# Altium PCB mutiADC_STM.PcbDoc (continued)
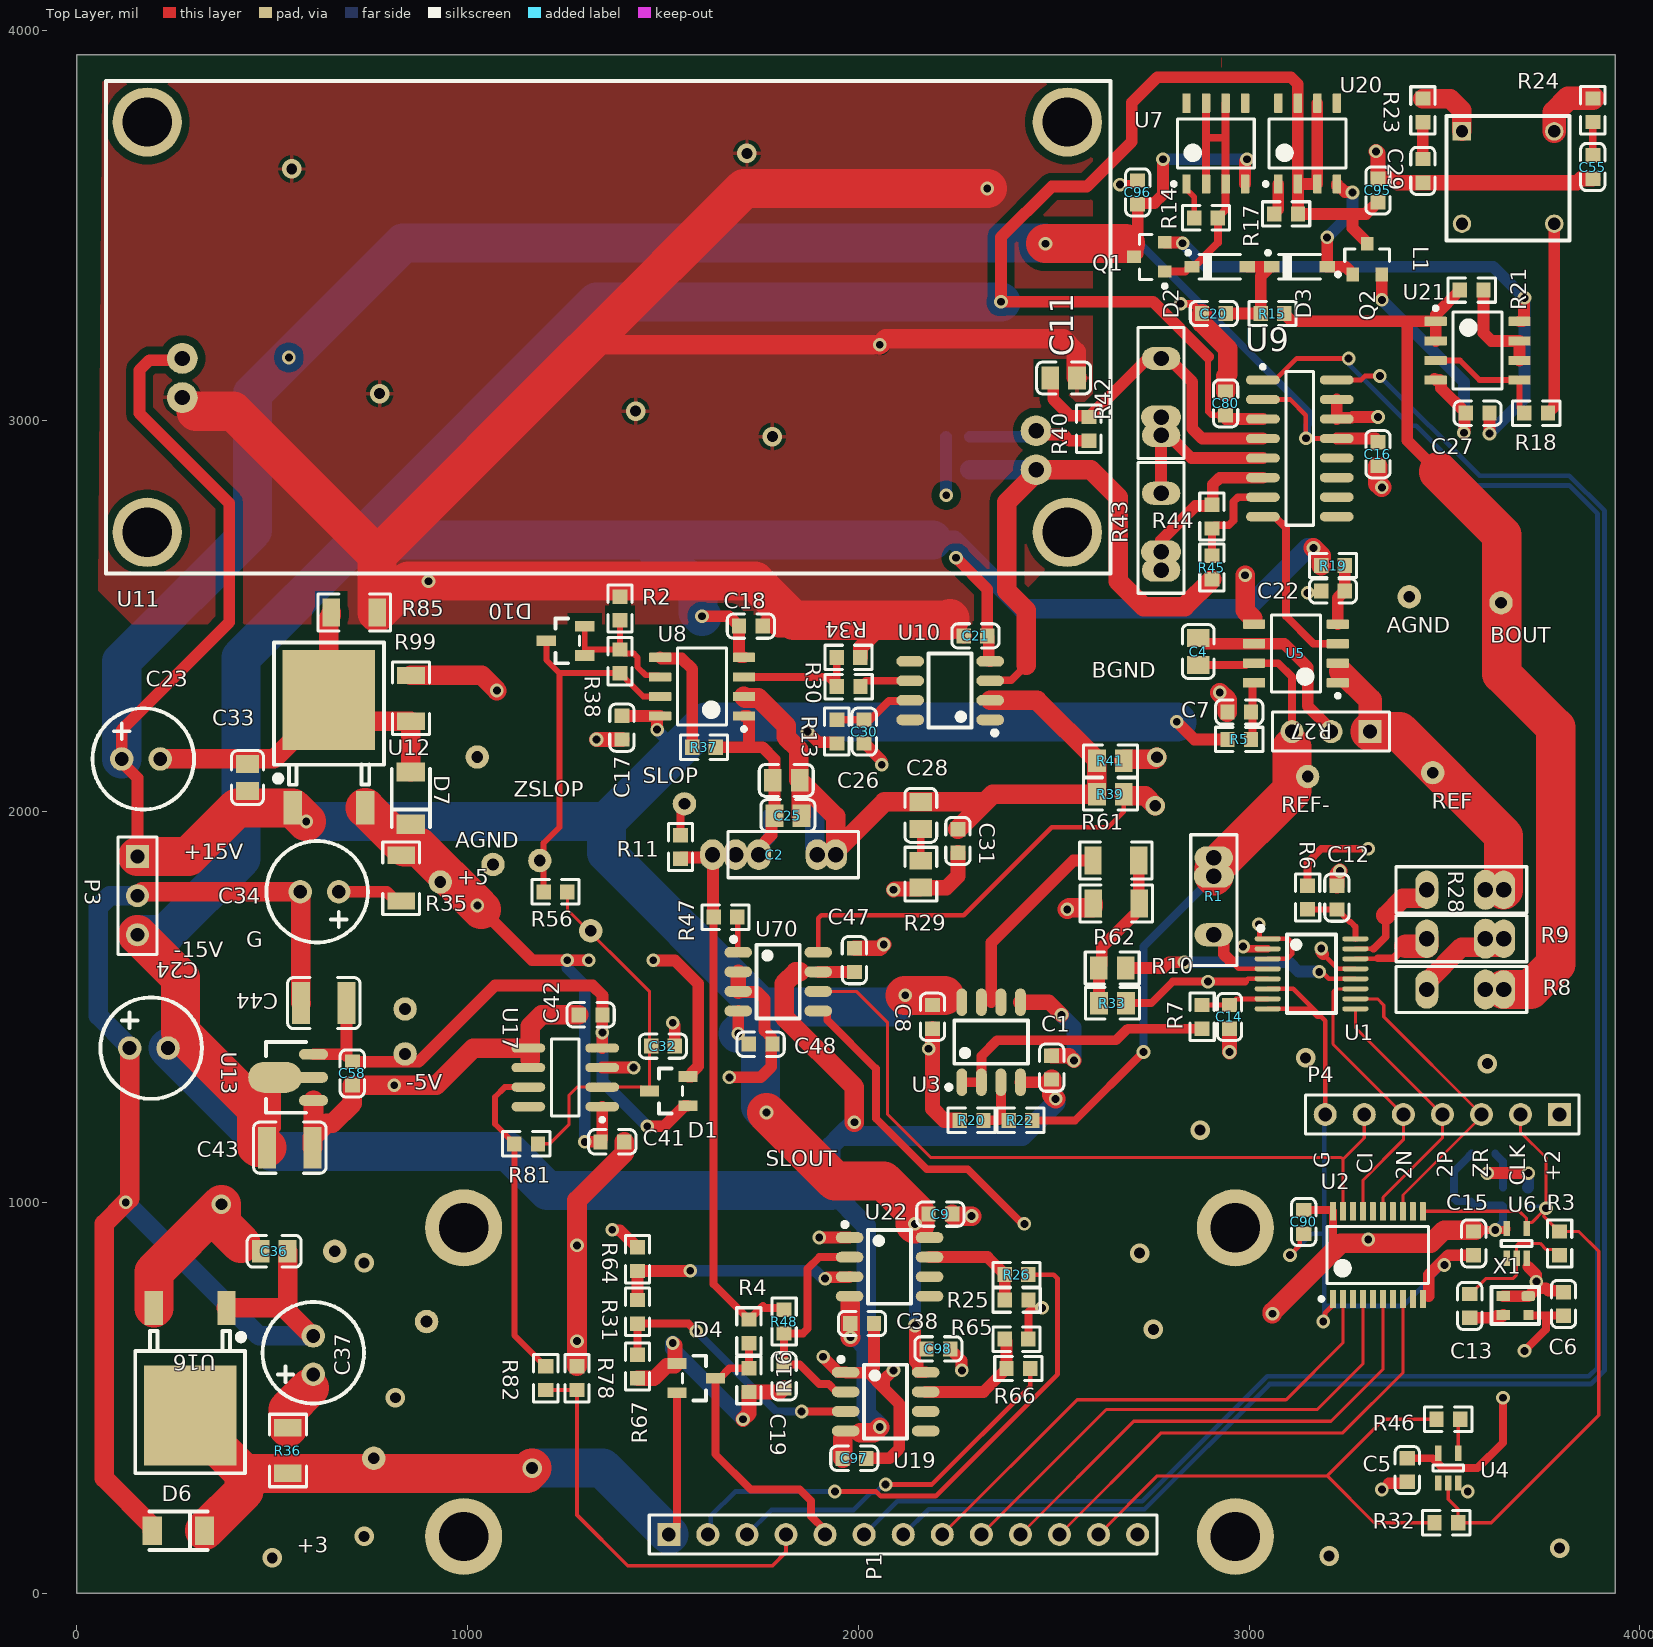
[diagram p0: Top Layer view]
## Nets (pads, with @x,y where several pads share a name; then routed paths per layer and width w, separated by ;. In a path a pad name is that pad's centre, name@x,y a point inside that pad or via, vN(x,y) a via of type N, cw(c..) or ccw(c..) an arc to the next point about the centre after c; other vN are vias at no path point) (continued)
  Bottom Layer w100: C23.1 114.88,2384.88 450,2720 450,3070 v1(542.5,3162.5) 835,3455 v1@2477.88,3455 ; v1(587.04,1975) 1355,1975 ; v1(1692.64,1432.05) 1710.59,1450 1750,1450 ; v1(1765,1230) 1750,1245 1750,1450 ; v1(2120,1530) 2090,1500 1750,1500 ; v1(2815,2230) 1610,2230 1527.5,2147.5 1355,1975 ; 1355,1975 1355,1895 1750,1500 ; 1750,1450 1750,1500
-2V: R7.1 U3.1 U3.2 | length 711.2
  Top Layer w25: U3.1 U3.2 2315,1375 2355,1415 2660,1415 2689.69,1444.69 R7.1
-2VA: C14.1 R7.2 U1.7 | length 174.6
  Top Layer w13: R7.2 2880.16,1505.16 2949.84,1505.16 C14.1 2950.98,1505 2967.01,1521.02 U1.7
-5V: C42.1 C44.1 C58.1 D1.1 pad.21 U13.3 U17.4 | length 1502.1
  Top Layer w30: U13.3 685.28,1379.06 690,1374.33 C44.1 ; C58.1 875.32,1360.32 1070,1555 1320,1555 1345.32,1529.68 C42.1 1344.9,1479.59 1344.9,1395.41 U17.4 ; v1(1460,1195) 1503.23,1195 1555.83,1247.6 D1.1
  Bottom Layer w30: v1(1345,1435) 1345,1310 v1(1460,1195)
-15V: C1.1 C18.1 C21.1 C24.2 C38.1 C43.1 C47.1 C80.2 C95.1 C97.1 P3.3 Q2.3 R17.2 R19.2 U3.4 U8.4 U9.3 U10.4 U13.2 U19.4 U20.2 U20.3 U20.6 U20.7 U22.4 U70.7 | length 14584.3
  Top Layer w15: 2895,3164.44 2895,3023.47 2903.79,3014.68 C80.2@2930,3014.68
  Top Layer w30: C43.1@507.17,1190.95 U13.2@507.17,1320 ; v1(1600,2500) 1669.68,2500 1690.39,2479.29 1691.38,2479.29 1694.68,2475.98 C18.1 1694.68,2398.19 1697.87,2395 U8.4 ; U70.7 1897.52,1589.84 1989.84,1589.84 C47.1 ; v1(2250,2650) 2330.32,2569.68 C21.1 2333.62,2446.69 2333.62,2386.22 2334.84,2385 U10.4 ; U3.4 2486.97,1307.64 2494.02,1314.68 C1.1 ; 2895,3164.44 2754.44,3305 v1(2365,3305) 2365,3470 2495,3600 2585,3600 2700,3715 2700,3815 2765,3880 3107.43,3880 3125,3862.43 U20.7 U20.2 ; C80.2@2930,3014.68 2930.98,3014.68 2940.67,3005 U9.3 ; U20.6 U20.3 U20.2 ; Q2.3 3302.6,3455.71 3265,3493.31 3265,3530 ; C95.1 3329.02,3559.69 3299.33,3530 3265,3530 ; U20.2 3125.16,3606.5 3125.16,3530.16 R17.2 3265,3530
  Top Layer w50: 1850,1590 1840,1590 1810,1560 1810,1475 1990,1295 v1(1990,1205) ; C97.1 1959.68,395.32 ; 1979.37,740 C38.1 1979.37,655.63 v1(1980,655) ; 2005,410 2040,410 v1(2055,425) ; C1.1 2495,1275 v1(2505,1265) ; v1(3165,2675) 3184.68,2655.32 R19.2
  Top Layer w100: P3.3 265,1575 265,1435 459.76,1240.24 459.76,1143.54 463.31,1140 C43.1
  Bottom Layer w50: v1(1980,655) 1995,655 2020,630 ; v1(1990,1205) 1955,1170 ; v1(2055,425) 2020,460 2020,630 ; 2190,2695 2245,2695 2420,2520 2995,2520 3150,2675 v1(3165,2675) ; v1(2505,1265) 2505,1255 2420,1170 1955,1170 ; 1955,1170 1930,1145 1930,1030 2020,940 2020,630
  Bottom Layer w100: P3.3 225,1685 420,1880 420,2395 720,2695 ; C24.2 498.43,1130 1105,1130 1205,1030 1930,1030 ; v1(1600,2500) 1590,2510 1590,2565 1460,2695 ; 2190,2695 1460,2695 ; v1(2365,3305) 1330,3305 720,2695 ; 720,2695 1460,2695
A0: P1.6 U9.1 | length 5291.8
  Top Layer w12: U9.1 3067.01,3105 3122.01,3160 v1(3255,3160)
  Bottom Layer w12: P1.6 2100,235 2727.04,235 3047.04,555 3869.54,555 3892,577.46 3892,2762.54 3819.54,2835 3580,2835 3427.5,2987.5 3412.5,2987.5 3255,3145 v1(3255,3160)
A1: P1.7 U9.16 | length 5003.6
  Top Layer w12: U9.16 3286.75,3105 3296.75,3115 3330,3115 v1@3335,3120
  Bottom Layer w12: P1.7 2180,215 2732.5,215 3052.5,535 3875,535 3910,570 3910,2770 3820,2860 3590,2860 v1(3335,3115)
ADC_IN: D4.3 P1.5 R4.1 R16.2 | length 750.2
  Top Layer w20: R4.1 R16.2 1670.35,575.32 1645.04,550 D4.3 1634.21,355.79 1725,265 1850,265 1878.76,236.24 1878.76,196.8 1915,160.57 P1.5
AGND: C1.2 C7.1 C8.2 C11.1 C12.2 C14.2 C16.1 C17.2 C18.2 C19.1 C20.1 C21.2 C22.1 C29.2 C30.2 C31.2 C32.2 C47.2 C48.2 C55.2 C80.1 C95.2 C96.2 D4.1 pad.13 pad.19 pad.26 R2.1 R16.1 R20.1 R29.1 R34.2 R67.2 R85.1 U3.5 U11.2 U70.2 U70.3 | length 20713.5
  Top Layer w20: v1(2670,3605) 2672.01,3607.01 2706.69,3607.01 C96.2 ; v1(2825,3300) 2854.68,3300 2870.39,3284.29 2871.38,3284.29 2879.68,3275.98 C20.1
  Top Layer w30: v1(1525,1460) 1525,1458.65 1530.32,1453.33 C32.2 ; v1(1670,1320) 1750,1320 1777.01,1347.01 1777.01,1401.69 C48.2 1777.01,1408.31 1777.01,1422.99 1760,1440 1760,1520 1741.22,1538.78 1693.86,1538.78 U70.3 ; C30.2 2015.98,2174.68 2060,2130.67 v1(2060,2120)
  Top Layer w39: v1(1330,2185) 1330.32,2184.68 C17.2 ; R67.2 1477.15,549.68 1509.15,581.68 1530.68,581.68 v1@1530.68,634.32 ; U70.3 U70.2 ; v1(1705,445) 1720,460 R16.1 1800.32,514.69 C19.1 ; C18.2@1770.16,2489.84 1795,2465 2050,2465 ; C47.2 2055.32,1650.32 v1(2065,1660) ; R34.2 2005.32,2420.32 2050,2465 ; v1(2090,1800) 2092.22,1802.22 2156.67,1802.22 R29.1 2225.55,1805.55 2255,1835 C31.2 ; C8.2 2190,1240 2220,1210 R20.1 ; C21.2 2254.68,2465 2050,2465 ; U3.5 2487.64,1512.36 v1(2520,1480) ; C1.2 2539.68,1375.32 v1(2551.79,1363.21) ; v1(2950,1385) C14.2 ; C12.2 3225,1840.56 v1(3232.54,1848.1) ; v1(3325,3690) 3330,3685 C95.2 3369.69,3620.31 3380.31,3609.69 C29.2 3839.69,3609.69 3849.69,3619.69 C55.2
  Top Layer w50: 1295,3182.68 1307.32,3195 v1(2055,3195) 2070,3210 2525,3210 2557.83,3177.17 2557.83,3112.17 C11.1 ; C20.1 2879.68,3250.31 2945,3185 2945,3120 2940,3115 C80.1 ; v1(2925,2305) 2944.68,2285.32 C7.1 ; C16.1 3330,2840 v1(3340,2830)
  Top Layer w100: 305,3025 400,3025 768.66,2656.34 ; 1295,3182.68 768.66,2656.34 ; 1307.32,3195 1707.32,3595 v1(2330,3595) ; 2235,2495 2230,2490 1835,2490 1735,2590 v1(900,2590) 848.66,2590 R85.1 768.66,2656.34
  Layer 1 w30: 1370,2120 1370,1630 1545,1455 ; 1545,1445 v1(1670,1320)
  Layer 1 w39: v1(1330,2185) v1@1330,2190 ; 1370,1630 1370,1520 1525,1365 v1(1525,640) ; v1(2060,2120) 2065,2115 2065,1700 ; v1(2180,1393.5) 2136.5,1393.5 2065,1465 v1(2065,1660) 2065,1700 ; v1(2520,1480) 2422.5,1577.5 ; 2600,2335 2640,2335 ; 2840,2135 2995,2135 3232.54,1897.46 v1(3232.54,1848.1) ; v1(2950,1385) 2860,1385 2667.5,1577.5 2422.5,1577.5 ; 2065,1700 2300,1700 2422.5,1577.5
  Layer 1 w50: v1(2055,3195) 2240,3380 2745,3380 ; v1(2825,3300) 2745,3380 ; 2960,2335 3150,2525 v1(3150,2560) ; v1(3340,2830) 2790,3380 2745,3380
  Layer 1 w100: 1315,2175 v1(900,2590) 1085,2775 1650,2775 1875,2550 2195,2550 2410,2335 2600,2335 ; 1317.5,2172.5 1370,2120 v1(2060,2120) ; v1(2330,3595) 3135,3595 3230,3690 v1(3325,3690) ; 2640,2335 2960,2335
  Bottom Layer w39: v1(1525,640) 1525,625 v1(1705,445) ; v1(2520,1480) 2551.79,1448.21 v1(2551.79,1363.21)
  other v2: 1780,2960 1430,3025 775,3070 550,3645 1715,3685
AGND1: R62.2 R99.1 | length 2066.5
  Top Layer w50: R99.1 1036.34,2348.66 v1(1075,2310) ; v1(2535,1750) 2539.57,1754.57 2598.58,1754.57 2601.34,1757.32 R62.2
  Layer 2 w50: v1(1075,2310) 1090,2295 1090,2190 1530,1750 v1(2535,1750)
AGND2: R33.2 U1.2 U1.5 | length 581.1
  Top Layer w12: 2990,1565 2997.2,1572.2 U1.5
  Top Layer w20: R33.2 2750,1510 2805,1565 v1(2895,1565) 2990,1565 ; v1(2985,1655) 2990,1655 2996.02,1648.98 U1.2
  Layer 1 w20: v1(2895,1565) v1(2985,1655)
BUF_OUT: pad.14 R8.2 R15.1 R21.2 U21.1 U21.2 | length 2514.4
  Top Layer w30: R15.1 3090.31,3274.02 3109.33,3255 3405,3255 ; U21.2 U21.1 ; 3485,2870 3405,2950 3405,3255 ; R21.2 3539.68,3334.02 3477.72,3272.05 U21.1 ; 3405,3255 U21.1
  Top Layer w100: 3485,2870 3646.85,2708.15 3646.85,2353.15 3785,2215 3785,1610 3720,1545 R8.2@3651.85,1545
CM_IN: C19.2 R48.2 U19.2 U22.2 | length 604.8
  Top Layer w20: U19.2 1943.94,515 1923.94,535 1900,535 1850,585 C19.2 R48.2 1858.28,664.68 1870,676.4 1870,830 1900,860 U22.2
CTS256N: P1.10 U2.6 | length 1282.9
  Top Layer w8: P1.10 2705,440 3210,440 3342.8,572.8 U2.6
CTS256NI: P4.4 U1.9 U2.15 | length 673.6
  Top Layer w8: U1.9 3272.2,1447.8 P4.4 3495,1165 3342.8,1012.8 U2.15
CTS256P: P1.11 U2.8 | length 1239.3
  Top Layer w8: P1.11 2775,410 3240,410 3393.98,563.98 U2.8
CTS256PI: P4.3 U1.10 U2.13 | length 794
  Top Layer w8: U1.10 3328.98,1521.02 3345,1505 3345,1475 P4.3 3595,1220 3393.98,1018.98 U2.13
CTSZERO: P1.8 U2.2 | length 1340.9
  Top Layer w8: P1.8 2560,495 3095,495 3240.43,640.43 U2.2
CTSZEROI: P4.6 U2.19 U70.6 | length 1929.1
  Top Layer w8: U70.6 1995,1540 2075,1460 2075,1225 2185,1115 3235.87,1115 3240.43,1110.43 ; U2.19 3240.43,1110.43 ; P4.6 3295,1165 3240.43,1110.43
CTVIN: P1.9 U2.4 | length 1323.6
  Top Layer w8: P1.9 2635,470 3175,470 3291.61,586.61 U2.4
CTVINI: P4.5 U1.11 U2.17 | length 740.1
  Top Layer w8: U1.11 3221.61,1546.61 3215,1540 3215,1405 P4.5 3395,1160 3291.61,1056.61 U2.17
EX_CLK: P1.12 R32.2 R46.2 | length 1311.3
  Top Layer w8: P1.12 2765,300 3200,300 ; R32.2 3320,180 3200,300 ; R46.2 3345,445 3200,300
GND: C5.2 C6.2 C9.2 C10.2 C15.2 C23.2 C24.1 C33.2 C34.2 C36.2 C37.2 C38.2 C41.2 C42.2 C43.2 C44.2 C58.2 C90.2 C97.2 C98.2 D6.1 D7.1 P1.13 P3.2 P4.7 pad.20 pad.24 pad.25 R78.1 R85.2 R99.2 U1.6 U1.8 U2.1 U2.10 U4.3 U6.3 U9.14 U9.15 U12.2 U13.1 U16.1 U17.5 U17.6 U19.1 U22.1 X1.1 X1.2 X2.2 | length 20438.9
  Top Layer w12: U1.8 3154.57,1495.43 3175,1475 3185,1475 ; U1.6 3113.39,1546.61 3185,1475 ; v1(3105,865) 3130.1,890.1 3130.1,909.79 C90.2 ; v1(3190,695) 3194.4,699.4 3194.4,716.61 3214.84,737.05 U2.1 ; P4.7 3195,1465 3185,1475
  Top Layer w30: v1(1900,910) U22.1 ; v1(1910,605) 1910,603.43 1948.43,565 U19.1 1968.86,563.78 2026.22,563.78 ; C97.2 2080,345 2105,370 2105,485 2065.61,524.39 ; C38.2 2040,577.56 2026.22,563.78 ; v1(2090,570) 2065.61,545.61 2065.61,524.39 ; C98.2 2235.32,624.02 2264.04,595.29 2264.04,570.96 v1(2265,570) ; U9.15 U9.14 3227.68,3008.19 3263.58,3008.19 3265.71,3010.32 v1(3330,3010.32) ; 3357.73,281.38 3401.69,281.38 C5.2 ; 3460,760 3460,815 3509.69,864.68 C15.2 ; v1(3610,1075) v1(3715,1075) ; X1.2 X1.1 3715.45,760 v1@3735.45,780 ; 3715,835 3735.45,814.55 v1(3735.45,797.27) v1@3735.45,780 ; C6.2 3801.69,773.62 3766.69,773.62 3760.31,780 v1@3735.45,780 ; 2026.22,563.78 2065.61,524.39
  Top Layer w50: C24.1 135,1010 v1(125,1000) 70,945 70,294.09 193.07,171.02 D6.1 ; P3.2 157.45,1785 167.45,1795 C34.2 572.78,1793.92 572.78,1511.08 C44.2 ; C23.2 504.25,2135 645,2275.75 U12.2 ; U16.1 530.6,730 539.45,721.15 ; C36.2 539.45,721.15 ; C43.2 603.07,1166.38 C43.2@605.59,1168.9 ; C37.2 602.29,658.31 539.45,721.15 ; U13.1 C43.2@605.59,1168.9 ; R85.2 651.34,2502.32 645,2495.98 U12.2 ; D7.1 R99.2 699.25,2231.34 U12.2 ; U17.5 1015,1395 919.68,1299.68 v1(812.34,1299.68) C58.2 705,1253.61 653.56,1202.17 638.86,1202.17 C43.2@605.59,1168.9 ; 1160,1365 1160,1450.71 1189.29,1480 C42.2 ; R78.1 v1(1280,645) v1(1280,890) 1280,1005 1400.63,1125.63 C41.2 ; C9.2 2245.32,965 v1(2290,965)
  Layer 1 w12: P1.13 2830,265 v1(3340,265) 3342.5,262.5 3557.5,262.5 v1(3560,260)
  Layer 1 w30: v1(1280,645) 1370,555 1560,555 1610,605 ; v1(1900,910) 1765,910 1640,785 1640,635 1610,605 ; v1(1910,605) 1610,605 ; v1(2090,570) v1(2265,570) 2810,570 v1(3105,865) ; v1(3340,265) 3340,593.19 3544.08,797.27 ; v1(3610,1075) 3500,965 v1(3500,840) 3501.35,840 3544.08,797.27 ; v1(3735.45,797.27) 3544.08,797.27
  Layer 1 w50: C23.2 571.69,1776.61 571.69,1540.33 v1(812.34,1299.68) 870.32,1299.68 v1(1280,890) ; v1(1900,910) 1945,865 2245,865 2290,910 v1(2290,965)
  Layer 2 w100: P1.13 2715,220 2850,355 3730,355 3800.53,425.53 3821.95,425.53 3880.53,484.11 3880.53,1590 3865,1605.53 3865,2770 3790,2845 3550,2845 3384.69,3010.32 v1(3330,3010.32)
  Bottom Layer w12: v1(3105,865) 3160,920 3192.5,920 ; v1(3190,695) 3192.5,697.5 3192.5,735 ; P4.7 3190,1220 3192.5,1217.5 3192.5,920 ; v1(3500,840) 3395,735 3192.5,735 ; 3192.5,735 3192.5,920
  Bottom Layer w30: X2.2 3714.59,1038.84 3714.59,1074.59 v1(3715,1075)
  Bottom Layer w50: v1(125,1000) 466.69,658.31 C37.2 ; C24.1 135,1397.71 55,1477.71 55,1755.71 84.29,1785 P3.2
  other v2: 500,90 3205,95 3795,115 735,145 815,500 2755,675 735,845 2720,870 2875,1185 3610,1355 3145,1370
GNDN: R10.2 U1.12 | length 611.7
  Top Layer w12: v1(3180,1590) 3186.22,1590 3204.02,1572.2 U1.12
  Top Layer w30: R10.2 2780,1600 2795,1615 v1(2835,1615)
  Bottom Layer w30: v1(2835,1615) 3102.5,1615 3126.54,1590.96 3179.04,1590.96 v1(3180,1590)
GNDSINK: R61.2 U3.6 U3.7 | length 500.4
  Top Layer w30: 2340,1512.36 2340,1665 2550,1875 R61.2
GNDT: R10.1 R33.1 R61.1 R62.1 | length 407.7
  Top Layer w30: R33.1 2615.83,1510.28 2615.83,1599.72 R10.1 2623.39,1607.83 2623.39,1653.39 2718.11,1748.11 R61.1
INBUF: R9.1 U1.14 | length 215.2
  Top Layer w12: U1.14 3328.39,1623.39 3330,1625
  Top Layer w20: 3330,1625 3370,1625 3400.79,1655.79
  Top Layer w60: 3400.79,1655.79 3454.53,1655.79 3455,1656.26 R9.1
NetC4_1: C4.1 R27.2 U5.6 | length 500.7
  Top Layer w30: C4.1 2876.1,2444.45 2890.55,2430 U5.6 3090,2430 3150,2370 3150,2270.4 3210,2210.4 R27.2
NetC7_2: C7.2 R5.2 U5.8 | length 149.2
  Top Layer w20: R5.2 3009.02,2188.7 3009.02,2328.19 3010.83,2330 U5.8
NetC13_1: C13.1 X1.3 | length 88.7
  Top Layer w30: C13.1 3629.29,704.68 3633.98,709.37 3648.62,709.37 X1.3
NetC13_2: C13.2 R3.2 U6.2 | length 340.2
  Top Layer w8: C13.2 3565.98,765.32 3605.67,805 3675,805 3685,815 U6.2 3685,890 3690,895 3745,895 3761.01,878.99 3780.69,878.99 R3.2
NetC20_2: C20.2 D2.1 D3.2 R15.2 | length 281.8
  Top Layer w30: C20.2 R15.2 3029.68,3370.87 D3.2@3053.82,3395 ; D2.1 D3.2@3053.82,3395 ; D3.2 D3.2@3053.82,3395
NetC22_2: C22.2 R19.1 U5.4 | length 157.5
  Top Layer w30: U5.4 3227.28,2547.09 3245.31,2565.12 R19.1
NetC28_2: C28.2 R29.2 | length 81.7
  Top Layer w20: R29.2 C28.2
NetC29_1: C29.1 R23.1 | length 94.4
  Top Layer w30: C29.1 R23.1
NetC30_1: C30.1 R13.1 U10.7 | length 208.2
  Top Layer w20: R13.1 2030.31,2235.31 2078.55,2283.55 2131.19,2283.55 U10.7
NetC32_1: C32.1 D1.3 pad.27 R56.2 R81.1 U17.2 | length 990.8
  Top Layer w8: R81.1 1210,1150 1260,1200 1260,1275 1280,1295 U17.2 1444.96,1295 1454.96,1285 D1.3 1465.79,1539.21 1255.32,1749.68 R56.2
NetC34_1: C34.1 R35.2 | length 169.7
  Top Layer w30: C34.1 793.15,1795 816.81,1771.34 R35.2
NetC37_1: C37.1 R36.2 | length 124.1
  Top Layer w100: R36.2 540,470 595,525
NetC55_1: C55.1 R24.1 | length 84.7
  Top Layer w20: C55.1 R24.1
NetD2_2: D2.2 Q1.1 R14.2 U7.2 U7.3 U7.6 U7.7 | length 788.4
  Top Layer w20: Q1.1 2836.81,3382.6 2849.21,3395 D2.2 2859.06,3395 2920.32,3456.26 R14.2 2920.32,3520.98 2940,3540.67 U7.3 2940,3725 ; U7.2 2890,3725 ; U7.7 2890,3725 ; U7.6 2940,3725 ; 2890,3725 2940,3725
NetD3_1: D3.1 Q2.1 U20.4 | length 343.7
  Top Layer w30: v1(3200,3470) D3.1 3200.24,3394.76 3247.4,3394.76 3265.2,3376.97 Q2.1 ; U20.4 3225,3601.22 3229.17,3597.05 3234.61,3597.05 3245.7,3585.96 3264.04,3585.96 v1(3265,3585)
  Bottom Layer w30: v1(3200,3470) 3265,3535 v1(3265,3585)
NetD10_1: D10.1 D10.2 R2.2 R38.2 U8.6 | length 370.8
  Top Layer w15: D10.2 1300,2415 1300.32,2415.32 R38.2 ; R2.2 R38.2 ; U8.6 1488.41,2349.31 1455.69,2349.31 1435,2370 1435,2395 1425.49,2404.51 1400.81,2404.51 R38.2
NetL1_3: L1.3 R18.1 | length 491.6
  Top Layer w30: R18.1 3765.31,3020.98 3781.22,3036.89 L1.3
NetR8_1: R8.1 R9.2 | length 272.3
  Top Layer w50: R8.1 3455,1564.68 3543.9,1653.58 3647.67,1653.58 3651.85,1657.77 R9.2@3651.85,1675
NetR12_2: R12.2 X2.1 | length 94.7
  Bottom Layer w20: R12.2 3630.32,1124.02 3650,1104.33 X2.1
NetR14_1: R14.1 U7.1 | length 94.8
  Top Layer w15: U7.1 2840,3592.87 2859.69,3573.19 R14.1
NetR17_1: R17.1 U20.1 | length 80.9
  Top Layer w30: R17.1 3064.69,3530.98 3075,3541.3 U20.1
NetR18_2: R18.2 U21.3 U21.5 | length 325.4
  Top Layer w15: U21.3 3540,3155 3590,3105 U21.5 3692.28,3033.39 3704.68,3020.98 R18.2
NetR20_2: R20.2 R22.1 U3.3 | length 139.4
  Top Layer w25: R20.2 2360,1210 2365,1215 U3.3
NetR21_1: R21.1 U21.6 U21.7 | length 260.4
  Top Layer w30: R21.1 3600.31,3224.69 3620,3205 U21.7 U21.6
NetR25_2: R25.2 R26.1 U22.7 | length 276.7
  Top Layer w30: U22.7 2330.67,860 2374.69,815.98 R26.1 2374.84,814.84 2374.84,750.16 R25.2
NetR30_1: R30.1 R34.1 U8.3 | length 322.6
  Top Layer w20: U8.3 1920.98,2345 R30.1@1944.84,2321.14 ; R34.1 1944.84,2394.84 R30.1@1944.84,2321.14 ; R30.1 1945,2320.98 R30.1@1944.84,2321.14
NetR30_2: R30.2 U10.6 | length 133.8
  Top Layer w20: R30.2 2005.63,2320.98 2019.65,2335 U10.6
NetR31_1: R31.1 R64.2 U22.3 | length 627.3
  Top Layer w30: R31.1 R64.2 1569.37,824.37 v1(1570,825) ; v1(1915,805) 1916.35,805 1920.13,808.78 1976.42,808.78 U22.3
  Bottom Layer w30: v1(1570,825) 1890,825 1910,805 v1(1915,805)
NetR31_2: R31.2 R67.1 U19.3 | length 705.1
  Top Layer w20: R67.1 R31.2 1565.32,689.68 v1(1585,670) ; v1(1855,465) U19.3
  Bottom Layer w20: v1(1585,670) 1790,465 v1(1855,465)
NetR37_2: R37.2 U8.5 | length 294.6
  Top Layer w30: U8.5 1495.91,2391.81 1548.19,2391.81 1574.68,2365.32 R37.2
NetR47_2: R47.2 U70.1 | length 91
  Top Layer w15: R47.2 1691.48,1728.84 1691.48,1641.16 U70.1
NetR65_2: R65.2 R66.1 U19.7 | length 309.4
  Top Layer w30: U19.7 2320.35,515 2379.37,574.02 R66.1 2379.37,644.33 2374.68,649.02 R65.2
NetR81_2: R81.2 R82.1 U17.7 | length 840
  Top Layer w15: U17.7 1095,1295 1070,1270 1070,1200.67 1119.68,1150.98 R81.2 1119.68,659.65 1199.02,580.31 R82.1
REF+: pad.15@3470,2100 R27.1 R28.2 U5.1 U5.2 | length 776.6
  Top Layer w60: 3235,2360 3310,2285 R27.1
  Top Layer w100: R27.1 3385,2205 3651.85,1938.15 R28.2@3651.85,1800
REF-: C4.2 pad.15@3150,2090 R1.2 R22.2 R27.3 U5.7 | length 1697.4
  Top Layer w20: R22.2 2555,1210 v1(2730,1385) ; C4.2 2991.54,2375.55 2995.98,2380 U5.7 3075,2380 3110,2345 R27.3
  Top Layer w100: R1.2@2910,1835 2910,1854.29 3110,2054.29 3110,2165
  Bottom Layer w20: v1(2730,1385) 2730,1655 2880.87,1805.87 2880.87,1816.96 2898.91,1835 R1.2@2910,1835
REFGND: L1.2 R45.2 R50.1 U5.5 U10.3 U11.3 | length 3912.4
  Top Layer w20: U10.3 2338.81,2336.45 2391.45,2336.45 2430,2375
  Top Layer w50: 2430,2375 2430,2515 2380,2565 2380,2792.22 2455,2867.22 U11.3 2595,2875 2665,2805 2665,2590 2730,2525 2835.32,2525 R45.2 ; v1(2990,2605) 2990,2515 3010,2495
  Layer 2 w50: U11.3 2460.5,2869.5 2560.5,2869.5 ; v1(2990,2605) 2990,2805 2915.63,2879.37 2569.37,2879.37 2620,2930 2620,3195 2670,3245 3395,3245 3545,3395 L1.2
  Bottom Layer w50: R50.1 U11.3
S256+: R28.1 U1.15 | length 287.7
  Top Layer w12: U1.15 3318.98,1648.98
  Top Layer w20: 3318.98,1648.98 3350,1680 3350,1735
  Top Layer w50: 3350,1735 3393.58,1778.58 3450.82,1778.58 3455,1782.77 R28.1
S256-: R1.1 U1.4 | length 195.1
  Top Layer w12: 2952.82,1617.78 2972.8,1597.8 U1.4
  Top Layer w30: R1.1 2921.82,1685 2935.24,1671.58 2935.24,1635.35 2952.82,1617.78
SLOP: C2.1 C3.1 C25.1 C26.1 R4.2 R11.2 R37.1 R47.1 R48.1 U8.1 | length 2040.7
  Top Layer w20: R47.1 1629.69,790.63 R4.2@1710.71,709.61 ; R4.2 1720.98,700.32 1755.67,735 1760.71,729.96 1805.35,729.96 R48.1
  Top Layer w30: R11.2 1548.31,1882.68 1619.57,1882.68 1626.89,1890 1628.29,1888.6 1628.29,1731.4 R47.1 ; R37.1 1720,2165 ; U8.1 1716.81,2245 1720,2241.81 1720,2165 ; C2.1@1745,1890 1745,1906.8 1777.72,1939.52 1777.72,1982.17 C25.1 1785.55,2134.45 1755,2165 1720,2165
  Bottom Layer w30: C2.1@1745,1890 1745,1904.35 1771.34,1930.69 C3.1
SLOP_TEST: pad.17 R11.1 | length 70
  Top Layer w20: R11.1 pad.17@1545,2010
SLOPOUT: D10.3 pad.18 R38.1 R56.1 U8.7 | length 955.9
  Top Layer w15: R56.1 1194.69,1919.69 1235.31,1960.31 1235.31,2354.69 ; D10.3 1201.57,2388.43 1235.31,2354.69 ; U8.7 1449.69,2295 1401.79,2342.89 1401.79,2343.88 1390.98,2354.69 R38.1 1235.31,2354.69
SUM: R39.2 U1.1 U1.3 U70.8 | length 1854.6
  Top Layer w12: U70.8 1897.36,1727.36 1905,1735 2270,1735 2495,1960 2640,1960 2679.45,1999.45 R39.2@2679.45,2043.23 ; v1(3025,1711.74) 3026.63,1710.11 3026.63,1674.84 3026.91,1674.57 U1.1 3100.43,1674.57 3110,1665 3110,1635 3098.39,1623.39 U1.3
  Top Layer w50: R39.2 2679.45,2043.23 2681.61,2041.06 2733.94,2041.06 v3(2760,2015)
  Layer 2 w50: v3(2760,2015) 2930,2015 3025,1920 v1(3025,1711.74)
SUM1: R41.2 U1.13 | length 981.9
  Top Layer w12: v1@3190,1635 3227.09,1597.91 3272.09,1597.91 U1.13
  Top Layer w30: v1(3185,1650) 3185,1640 v1@3190,1635
  Top Layer w50: R41.2 2679.45,2131.77 2681.61,2133.94 2758.94,2133.94 v3(2764.29,2139.29)
  Layer 2 w30: 3184.04,1680.96 3184.04,1650.96 v1(3185,1650)
  Layer 2 w50: v3(2764.29,2139.29) 2770.71,2139.29 2825,2085 3013.09,2085 3184.04,1914.04 3184.04,1680.96
SYS_CLK: P4.2 R3.1 R32.1 U2.11 U4.2 U6.4 X2.3 | length 1878.7
  Top Layer w8: U2.11 3692.09,977.2 3710.59,958.7 U6.4@3710.59,944.07 ; U4.2 3510,240 3535.31,214.69 R32.1 3620,180 3895,455 3895,875 3844.69,925.31 R3.1 3794.02,925.31 3754.33,965 3754.83,965.5 v1@3754.83,979.83 ; P4.2 3695,1180 3760,1115 v1(3760,985) v1@3754.83,979.83 ; U6.4 U6.4@3710.59,944.07 ; U6.4@3710.59,944.07 3714.86,948.34 3723.34,948.34 v1@3754.83,979.83
  Bottom Layer w8: X2.3 3755,990 v1(3760,985)
SYS_CLKN: R46.1 U4.4 | length 88.8
  Top Layer w8: U4.4 3535.59,440.28 R46.1
VB+: C27.2 Q1.2 U21.8 | length 1485.6
  Top Layer w30: Q1.2 2785.12,3456.65 2828.35,3456.65 v1(2830,3455) ; v1(3615.31,2967.57) C27.2 ; U21.8 3700.85,3255 3704.04,3258.19 v1@3704.04,3314.04
  Bottom Layer w30: v1(2830,3455) 2890,3395 3625,3395 v1(3705,3315) 3705,3057.26 v1(3615.31,2967.57)
VB-: C27.1 Q2.2 U21.4 | length 671.4
  Top Layer w30: v1(3340,3310) Q2.2 ; U21.4@3474.53,3108.19 U21.4 3488.07,3105 3491.26,3101.81 3491.26,3084.41 3554.69,3020.98 C27.1 3551.38,3016.69 3551.38,2972.73 3550,2971.35 v1(3550,2970)
  Bottom Layer w30: v1(3340,3310) 3550,3100 v1(3550,2970)
VGND: C2.2 C3.2 C25.2 C26.2 C28.1 C31.1 R39.1 R41.1 U8.2 U10.2 | length 1968.2
  Top Layer w50: U8.2 1707.28,2294.54 1710.83,2291 1744.3,2291 1815,2220.3 1815,2191.41 1847.83,2158.58 1847.83,2082.17 C26.2 1850,2078.23 C26.2@1852.17,2076.06 ; C25.2 1854.45,2073.78 C26.2@1852.17,2076.06 ; C2.2@1941.85,1890 C2.2@1941.85,1899.84 ; C31.1 2324.68,2025 ; U10.2 2457.32,2285 2610.55,2131.77 R41.1 R39.1 2344.68,2045 2324.68,2025 ; C26.2@1852.17,2076.06 1853.94,2076.06 1941.85,1988.15 C2.2@1941.85,1899.84 ; C2.2@1941.85,1899.84 2067.01,2025 C28.1 2324.68,2025
  Bottom Layer w50: C3.2 1888.66,1908.63 1895,1902.29 C2.2@1895,1890
VHIGH1: P1.2 R26.2 | length 1421.6
  Top Layer w12: v1(1940,260) 2046.28,260 2057.78,248.5 2198.5,248.5 2510,560 2510,805 2500,815 R26.2
  Bottom Layer w12: P1.2 1622.53,157.53 1622.53,197.53 1685,260 v1(1940,260)
VIN: L1.4 R24.2 | length 162.6
  Top Layer w60: L1.4 3781.22,3790.48 3816.37,3825.63 R24.2
VING: L1.1 R23.2 | length 166.3
  Top Layer w50: R23.2 3514.68,3825.32 3545,3795 L1.1
VMEID1: P1.3 R66.2 | length 927.4
  Top Layer w12: v1(2070,278) 2188,278 2440,530 R66.2
  Bottom Layer w12: P1.3 1777.5,212.5 1987.5,212.5 2032.16,257.15 2042.93,257.15 2063.78,278 v1(2070,278)
VOUT1: U5.3 U9.8 | length 458.8
  Top Layer w20: U9.8 3066.03,2755 3095,2726.03 3095,2500 3165,2430 U5.3
VREF: R40.1 R49.2 R64.1 U11.4 | length 3430.7
  Top Layer w30: v1(1370,930) 1370.96,929.04 1389.97,929.04 1434.02,885 R64.1 ; U11.4 2464.33,2965.67 2524.33,2965.67 2540.31,2949.69 R40.1
  Layer 2 w30: v1@1370.96,930.96 1809,1369 2064.36,1369 2186.86,1491.5 2416.5,1491.5 2690,1765 2690,1940 2615,2015 2615,2470.91 2390,2695.91 2390,2910 U11.4
  Bottom Layer w30: R49.2 2426.81,2960 2441.81,2975 U11.4
VREF1: R44.2 R45.1 U9.7 | length 261.6
  Top Layer w20: R45.1 R44.2 2913.31,2733.31 2948.31,2733.31 2960,2745 2960,2793.28 2971.72,2805 U9.7
VREF10: R43.2 R44.1 U9.6 | length 432.6
  Top Layer w30: R43.2@2775,2618.15 2775,2665 2775,2695 2862.32,2782.32 2901.69,2782.32 R44.1 2907.43,2788.06 2907.43,2837.43 2925,2855 U9.6
VREFX100: R42.2 R43.1 U9.5 | length 432.7
  Top Layer w30: R43.1 2775,2963.15 2794.68,2963.15 2852.83,2905 U9.5
VREFX1000: C11.2 R40.2 R42.1 U9.4 | length 829.9
  Top Layer w30: C11.2 2498.94,3102.17 2498.94,3056.06 2541.38,3013.62 2586.69,3013.62 R40.2 2590.98,3010.32 2735.11,3154.44 2769.44,3154.44 R42.1 2795,3160 2855,3100 2855,2980 2880,2955 U9.4
VZERO: P1.4 R78.2 R82.2 | length 1048
  Top Layer w10: R82.2 R78.2 1280,200 1410,70 1780,70 1815,105 P1.4
ZGND: R49.1 R50.2 U17.3 | length 2802.9
  Top Layer w30: U17.3 v4(1425,1345)
  Layer 2 w30: v4(1425,1345) 1640.55,1345 1654.05,1358.5 1747.59,1358.5 1794.09,1405 2049.45,1405 2171.95,1527.5 2387.5,1527.5 2610,1750 2610,1900 2568.91,1941.09 2568.91,2466.09 v4(2225,2810)
  Bottom Layer w30: R49.1 R50.2 2224.68,2810.32 v4(2225,2810)
pads on no net: U2.3 U2.5 U2.7 U2.9 U2.12 U2.14 U2.16 U2.18 U4.1 U6.1 U7.5 U7.8 U9.9 U9.10 U9.11 U9.12 U10.1 U10.5 U10.8 U11.0 U17.8 U19.5 U19.6 U20.5 U20.8 U22.5 U22.6

## Polygon pours and split planes (outlines as drawn)
AGND on Layer 1 "AGND_L02_P000" (solid, pour order 0): 35,3910 55,3890 3900,3890 3900,1595 3755,1450 3735,1470 3395,1470 3330,1535 3330,1565 3015,1565 2985,1535 2985,1370 2945,1330 2675,1330 2480,1135 1540,1135 1320,1355 1095,1355 1095,1665 855,1905 855,2320 725,2450 35,2450
GND on Layer 1 "GND_L02_P001" (solid, pour order 1): 50,2400 715,2400 815,2300 815,1855 1055,1615 1055,1320 1320,1320 1495,1145 1495,1080 2430,1080 2685,1335 2920,1335 2920,1500 2995,1575 3375,1575 3375,1537.08 3447.08,1465 3865,1465 3930,1400 3925,1395 3925,0 20,0 15,-5
GND on Layer 2 "GND_L03_P002" (solid, pour order 2): 55,2395 70,2380 725,2380 725,1925 1050,1600 1050,1310 1315,1310 1480,1145 1480,1095 2430,1095 2445,1080 2685,1320 2965,1320 2990,1345 2990,1530 3280,1530 3305,1555 3395,1465 3395,1455 3870,1455 3920,1405 3910,1395 3910,10 20,10
GND on Bottom Layer "GND_L04_P003" (solid, pour order 3): 45,2385 60,2370 710,2370 710,1915 1045,1580 1045,1340 1300,1340 1445,1195 1445,1100 1460,1085 1470,1095 2445,1095 2690,1340 2985,1340 2985,1500 2995,1510 3325,1510 3325,1485 3375,1435 3385,1445 3880,1445 3925,1400 3905,1380 3905,20 40,20 30,30
AGND on Top Layer "AGND_L01_P004" (solid, pour order 4): 65,3875 75,3865 2600,3865 2600,2740 2340,2480 140,2480 55,2565

## Silkscreen, mask and mechanical layers (free items; w line width, h text height)
Top Overlay:
  text "AGND" at 3353,2458 h40
  text "BOUT" at 3618,2433 h40
  text "BGND" at 2598,2343 h40
  text "SLOP" at 1448,2073 h40
  text "ZSLOP" at 1118,2038 h40
  text "REF" at 3468,2008 h40
  text "REF-" at 3083,1998 h40
  text "AGND" at 968,1908 h40
  text "+15V" at 273,1878 h40
  text "+5" at 973,1813 h40
  text "G" at 433,1653 h40
  text "-15V" at 248,1628 h40
  text "-5V" at 843,1288 h40
  text "SLOUT" at 1763,1093 h40
  text "G" at 3207,1088 h40 r90
  text "CI" at 3317,1073 h40 r90
  text "2P" at 3522,1063 h40 r90
  text "ZR" at 3612,1063 h40 r90
  text "2N" at 3417,1058 h40 r90
  text "+2" at 3797,1053 h40 r90
  text "CLK" at 3707,1043 h40 r90
  text "+3" at 563,103 h40
Mechanical 1:
  lines w10: 0,0 3937.01,0 3937.01,3935 0,3935 0,0

## Text inside footprints (layer, text, board x,y; h text height)
D2: Mechanical 15 "1" at 2942.71,3388.53 h40 r90
D3: Mechanical 15 "1" at 3146.85,3388.53 h40 r90